# KiCad board haasoscope_pro_adc_fpga_board.kicad_pcb (continued)
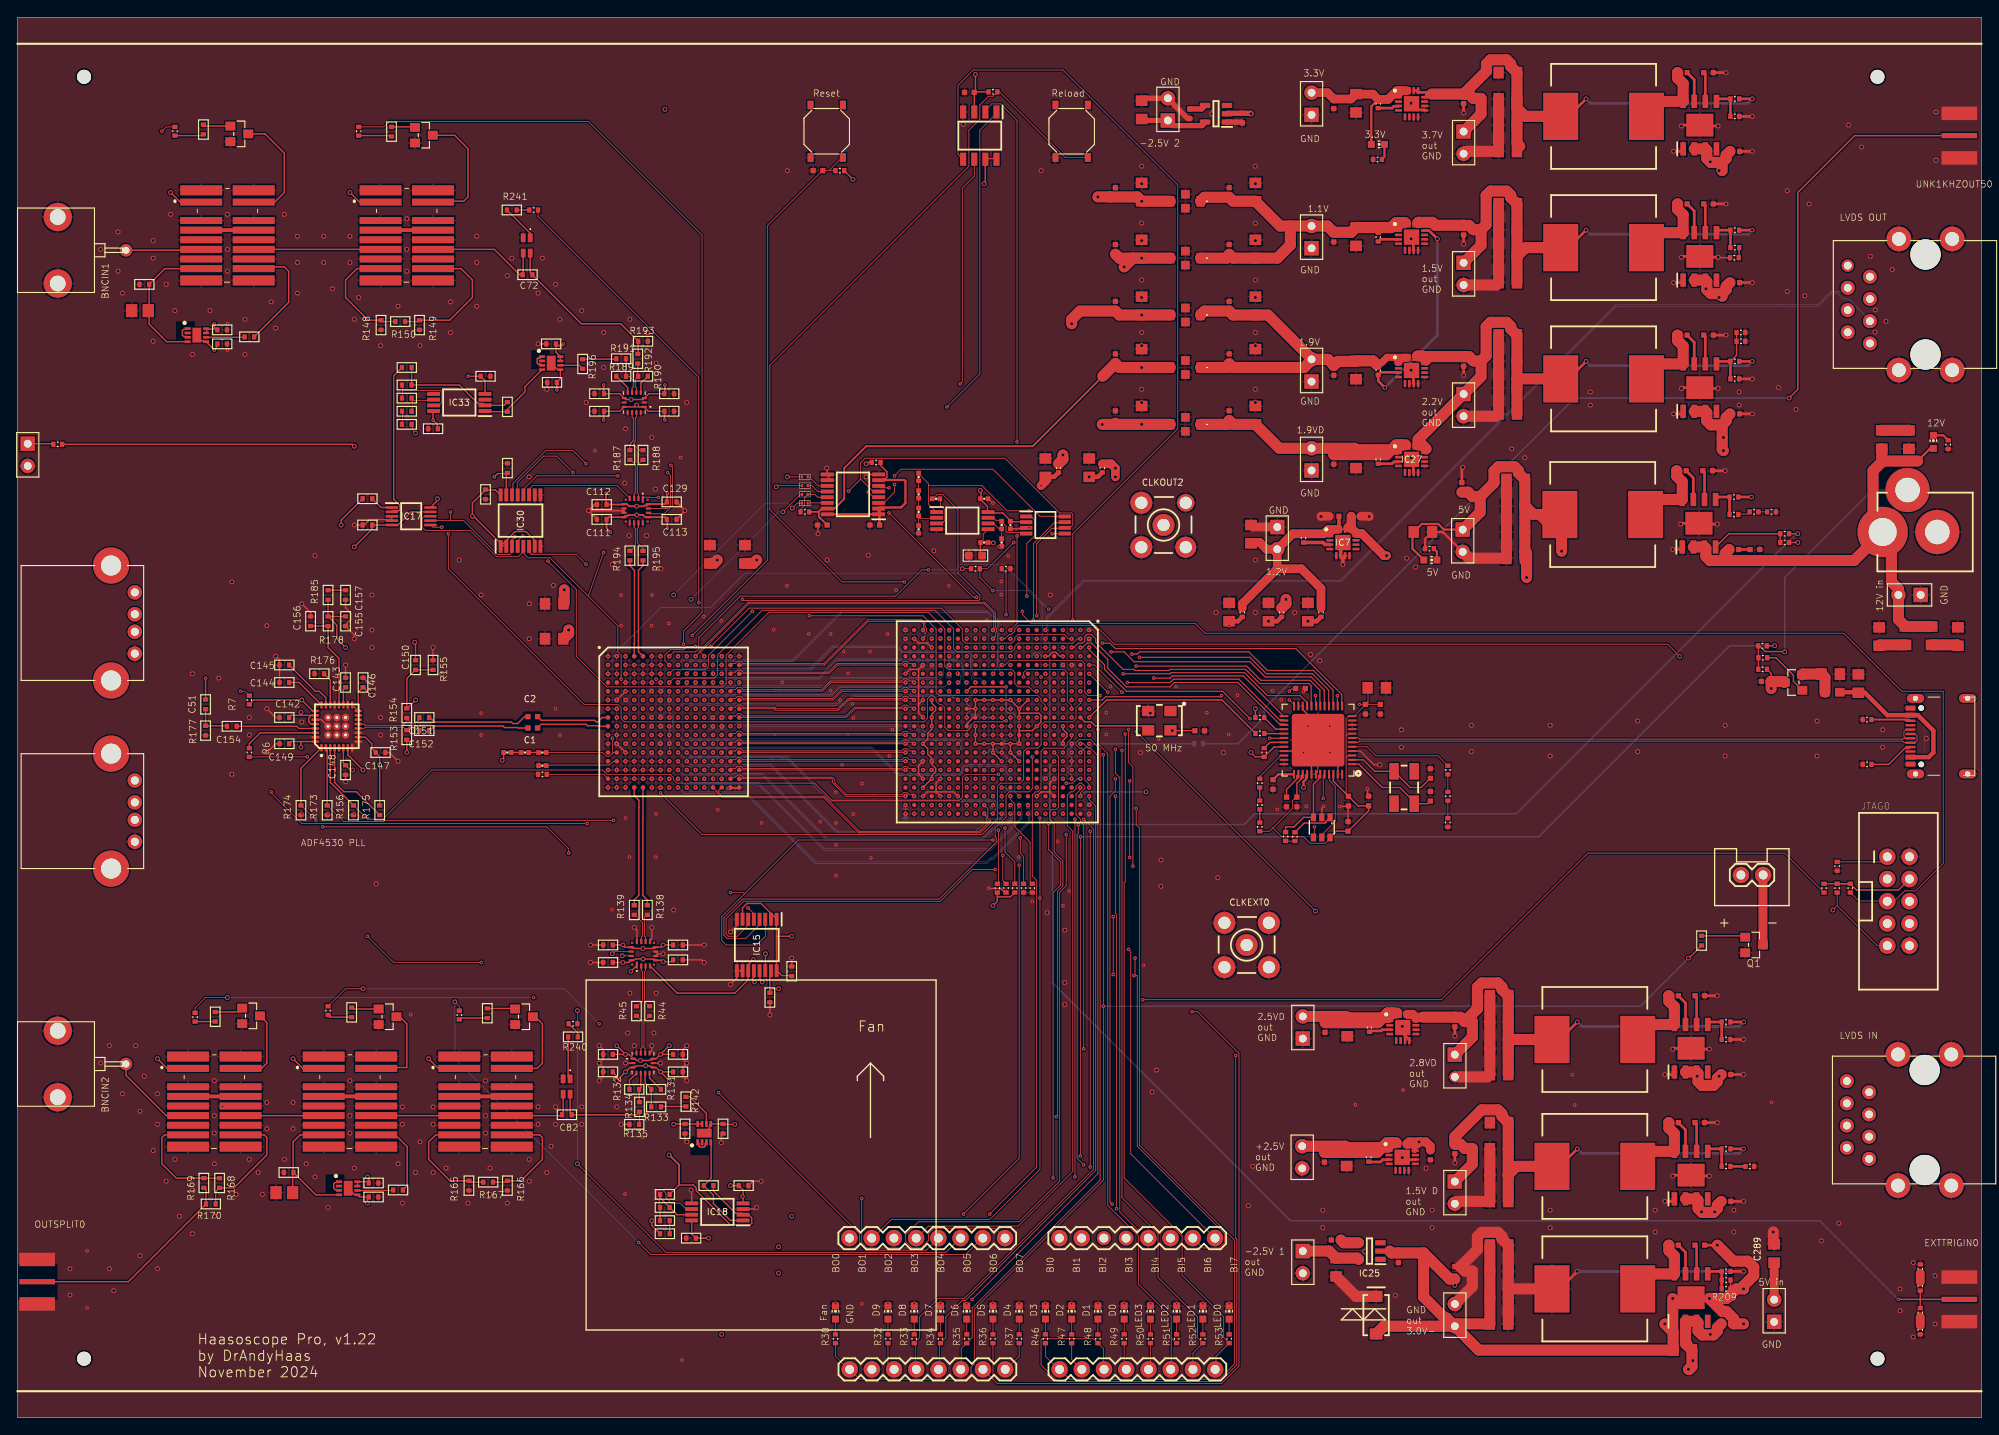
[diagram p0: board, top side]
## Routing (per net, layer and track width the routed paths; a pad name or vN(x,y) marks a point on that pad's centre or on a via; arc(x,y) is an arc through that point) (continued)
VCCA: length 67.5
  Top w0.152: IC5.T6 v1(107.45,85.05)
  Top w0.508: C41.2 118.5,107.5 R90.P$2
  Top w1: C41.2 117.5,107 v1(117,106.5)
  In5.Cu w0.152: v1(116.5,85) 117,85.5 v1(117,106.5) ; v1(117.5,73) 117,72.5 110.43,72.5 110.1,72.83 110.1,73.4 110,73.5 107,73.5 v1(106.5,73) 106.07,73 105.67,73.4 105.1,73.4 105,73.5 105,85.5 107,85.5 v1(107.45,85.05)
  In7.Cu w0.152: v1(116.5,85) 115,83.5 115,74.5 116.5,73 v1(117.5,73)
  Bottom w0.152: v1(117.5,73) C71.2
VCCA_FTDI: length 2.7
  Top w0.254: IC8.37 144.13,73.51 C115.2
VCCINT: length 46.3
  Top w0.152: v1(112.5,75) v1(111.5,76) v1(111.5,77) ; IC5.R12 108.5,79.25 109.25,80 IC5.P11 v1(109.5,81) ; v1(113.5,77) IC5.L14 v1(111.5,77) ; v1(113.5,77) v1(114.5,77) IC5.J13 114.5,78.5 ; v1(113.5,77) v1(113.5,76) v1(114.5,75) ; 114.5,80.5 v1(114.5,80) ; 114.5,80.5 116.75,80.5 117,80.25 117,79.5 v1(116.5,79) 116,78.5 114.5,78.5 ; 114.5,80.5 v1(114.5,81) ; v1(109.5,79) v1(109.5,78) v1(109.5,77) v1(110.5,77) v1(111.5,77) ; 114.5,78.5 v1(114.5,79) ; v1(114.5,81) v1(113.5,82) v1(112.5,82) v1(111.5,82) v1(110.5,82) v1(109.5,82) v1(109.5,81) ; v1(114.5,81) v1(115.5,82) ; v1(108.5,83) 109,83.5 v1(113,83.5) ; v1(109.5,81) IC5.R10
  Top w0.508: v2(147.5,91) 148.5,91 R88.P$2
  Bottom w0.152: C69.2 v1(114.5,79) 114.5,79.75 113.75,80.5 113.25,80.5 113,80.75 v1(113,83.5)
VCCIO2V5: length 113.6
  Top w0.152: IC5.U4 v1(106.5,87.05) ; v1(119.5,79) 119.5,78.64 119.95,78.19 119.95,77.81 119.5,77.36 v1(119.5,77) ; v1(119.5,87) 119.14,87 118.69,87.45 118.31,87.45 117.86,87 v1(117.5,87) ; v1(104.5,82) 104.5,81.64 104.95,81.19 104.95,80.81 104.5,80.36 v1(104.5,80) v1(104.5,79) 104.5,78.64 104.05,78.19 104.05,77.55 v1(103.5,77) 104.05,76.45 104.05,75.81 104.5,75.36 v1(104.5,75) 104.5,74.64 104.95,74.19 104.95,73.81 104.5,73.36 v1(104.5,73) IC5.Y19 v1(103.5,71.9) ; IC5.W4 v1(104.5,87.05)
  Top w0.16: R212.P$1 v2(203.5,100)
  Top w0.508: v2(143,91) 144,91 R87.P$2
  In2.Cu w0.152: v1(101.5,89) 101.93,89 102.53,88.4 103.67,88.4 103.9,88.17 103.9,87.65 v1(104.5,87.05) 104.93,87.05 105.33,87.45 105.67,87.45 106.07,87.05 v1(106.5,87.05) 106.98,87.05 107.38,87.45 108.05,87.45 v1(108.5,87) 108.93,87 109.33,86.6 109.67,86.6 110.07,87 v1(110.5,87)
  In2.Cu w0.16: v2(203.5,100) 198,94.5 147.5,94.5 144,91 v2(143,91)
  In7.Cu w0.152: v1(115.5,87) v1(113.5,87) 113.17,87 112.77,87.4 112.43,87.4 111.68,86.65 111.33,86.65 110.98,87 v1(110.5,87) ; v1(104.5,82) 104.5,82.43 104.1,82.83 104.1,83.97 103.67,84.4 103.1,84.4 v1(102.5,85) 103.1,85.6 103.67,85.6 104.07,86 v1(104.5,86) v1(104.5,87.05)
  Bottom w0.152: v1(115.5,87) 115.93,87 116.33,87.4 116.67,87.4 117.07,87 v1(117.5,87) ; v1(114.5,71) 113.9,71.6 113.33,71.6 112.93,72 v1(112.5,72) ; v1(122.5,70) C65.2 ; C67.2 v1(101.5,70) ; v1(101.5,89) C68.2 ; v1(119.5,77) C61.2 ; v1(104.5,86) C66.2 ; v1(104.5,75) C62.2
  vias: v1(105.5,72) v1(107.5,72) v1(109.5,73) v1(116.5,72) v1(118.5,72) v1(119.5,75) v1(119.5,73)
VCCIO3V3: length 3.2
  Top w0.508: v2(122.5,107.5) 123.5,107.5 R18.P$2
  In2.Cu w0.2: v1(118.5,83) v1(119.5,82)
  Bottom w0.152: v1(122.5,89) C64.2 ; v1(119.5,86) C63.2
  vias: v1(119.5,80)
VCCPLL: length 82.2
  Top w0.152: v1(138.5,90.5) C42.2
  Top w0.508: R89.P$2 139.5,91 C42.2
  In5.Cu w0.152: v1(106.5,85) 106,84.5 106,74.5 v1(105.5,74) 105.95,74.45 106.67,74.45 106.72,74.4 117.9,74.4 118,74.5 ; 118,74.5 117.9,74.6 117.9,84.17 117.5,84.57 v1(117.5,85) ; 118,74.5 v1(118.5,74) 119,73.5 131,73.5 138.5,81 v1(138.5,90.5)
  In7.Cu w0.152: v1(117.5,85) 117,85.5 107,85.5 v1(106.5,85)
  Bottom w0.152: v1(106.5,85) C70.2
VDDD33: length 21.2
  Top w0.152: IC2.7 98.46,107.15 99.06,107.15 99.38,107.47 99.38,108.08 98.65,108.81 R15.P$2 ; C3.2 98.44,102.11 IC2.1
  Top w0.254: C3.2 98.55,103.76 IC2.2 ; 99,107.15 101.35,107.15 101.5,107 101.5,104.5 101,104 98.56,104 IC2.2 ; IC2.2 IC2.1 IC2.16
VDDL19: length 52.5
  Top w0.203: 91.6,103.54 91.6,102.91 91.73,102.77 91.78,102.77 C4.2 ; 91.6,103.54 91.55,103.5 R5.P$1 ; 91.6,103.54 91.93,103.88 92.56,103.88 IC2.15 93.38,103.88 94.5,105 94.5,108.5 97,111 116.05,111 124.05,119
  Top w1.27: 124.05,119 C19.2 125.95,120 v2(128.5,120) C15.3
1KHZOUT: length 3
  Top w0.152: J1.1 4.03,111.29 R206.P$1
1KHZOUT50: length 13.4
  Bottom w0.16: v1(121.5,76) 122.09,76.59 122.67,76.59 123.08,77 R211.P$2
1MPATH: length 16
  Top w0.152: FL3.4 34.55,25.45
  Top w0.16: K2.4 32.3,32.3 31.5,31.5 31.5,28.05 ; 31.5,28.05 R158.P$2 34.1,25.45 34.55,25.45 ; 31.5,28.05 31.45,28 C79.2
1MPATH2: length 16.6
  Top w0.152: FL2.4 17.05,122.95 16.5,123.5 ; R42.P$2 15.05,126.6 C57.2
  Top w0.16: 16.5,123.5 15.05,124.95 15.05,126.6 ; K4.4 16.85,131.3 R42.P$2
1MPATH50: length 9.3
  Top w0.16: K2.5 43.2,32.3 44.55,30.95 44.55,26.5 R159.P$2
1MPATH502: length 13.4
  Top w0.16: R43.P$2 31,127.45 31,131 30.5,131.5 27.2,131.5 K4.5
50_1M_CONTROL: length 2.8
  Top w0.152: R8.P$1 35.75,45.75 R162.P$2
50_1M_CONTROL2: length 3.3
  Top w0.152: R12.P$1 21.1,146.5 R140.P$2
50PATH: length 6
  Top w0.44: K2.2 K2.7
50PATH2: length 6
  Top w0.44: K4.2 K4.7
ACDC_CONTROL: length 1.9
  Top w0.152: R9.P$1 64.05,43.95 R240.P$2
ACDC_CONTROL2: length 1.4
  Top w0.152: R13.P$1 R241.P$2
ADFCE: length 10.7
  Top w0.152: U2.4 36.25,72.57 37.3,71.52 38.73,71.52 R175.P$1
AIN2_N: length 3.5
  Top w0.102: IC21.5 70.75,117.65 70.61,117.79 70.61,118.61 70.95,118.95
  Top w0.152: R192.P$2 70.9,119.05 R190.P$1 70.95,118.95
AIN2_P: length 4.4
  Top w0.102: IC21.6 70.25,117.65 70.39,117.79 70.39,118.5 69.89,119 R189.P$1
  Top w0.152: R191.P$2 R189.P$1
AIN_N: length 3.4
  Top w0.152: R134.P$2 71.05,36.1 R132.P$1 71.25,37.7 IC13.5
AIN_P: length 4.1
  Top w0.152: IC13.6 71.75,38.2 R131.P$1 R133.P$2
AMPOUT2_N: length 3.5
  Top w0.102: IC29.10 70.48,101.74 70.62,101.6 70.62,99.62 70.05,99.05 R194.P$1
AMPOUT2_P: length 3.5
  Top w0.102: IC29.11 70.98,101.74 70.84,101.6 70.84,100 71.5,99.34 R195.P$1
AMPOUT_N: length 3.3
  Top w0.102: IC14.10 71.8,54.9 71.66,55.04 71.66,57.16 71.95,57.45 R138.P$1
AMPOUT_P: length 3.5
  Top w0.102: R139.P$1 70.55,57.45 71.44,56.56 71.44,55.04 71.3,54.9 IC14.11
AMPSCLK: length 22.2
  Top w0.089: IC14.14 68.25,53.25 v2(68,53)
  Top w0.152: IC15.14 85.5,51.09 v2(85.5,53)
  In2.Cu w0.089: v2(68,53) 68.73,53 68.95,53.22 69.31,53.22 69.38,53.15 73.15,53.15 73.5,53.5 85,53.5 v2(85.5,53)
AMPSCLK2: length 29.5
  Top w0.089: v1(74.68,108.82) 74.88,108.62 74.88,104.23 73.93,103.28 72.24,103.28 IC29.14 ; v1(65,109) 63.5,110.5 60.37,110.5 56.62,106.75 56.62,105.5 IC30.14
  In7.Cu w0.089: v1(74.68,108.82) 74.5,109 v1(65,109)
AMPSCS: length 19.7
  Top w0.089: IC14.15 70.13,52.77 v2(69.13,52.77)
  Top w0.152: v3(85.12,49.75) 84.88,50 84.88,51 IC15.13
  In2.Cu w0.089: v3(85.12,49.75) 84.62,50.25 71.65,50.25 v2(69.13,52.77)
AMPSCS2: length 27.2
  Top w0.089: IC29.15 74.28,103.89 74.66,104.27 74.66,107.65 v1(74.31,108) ; IC30.13 57.12,105.5 57.12,106.88 60.12,109.88 61.62,109.88 v1(63.5,108)
  In7.Cu w0.089: v1(74.31,108) v1(63.5,108)
AMPSDI: length 17.8
  Top w0.152: v3(84.25,49.75) 84,50 84,50.12 84.25,50.38 84.25,51 IC15.12 ; v3(70.12,51) 70.75,51.62 IC14.1
  In2.Cu w0.152: v3(84.25,49.75) 83.5,49 72.12,49 v3(70.12,51)
AMPSDI2: length 19.3
  Top w0.089: v1(73.26,105.16) 72.26,105.16 72.23,105.19 71.73,105.19 IC29.1 ; v1(68.62,107.62) 59.37,107.62 57.87,106.12 57.87,105.5 IC30.12
  In2.Cu w0.089: v1(73.26,105.16) 72.99,105.43 69.15,107.62 v1(68.62,107.62)
AMPSDO: length 15.8
  Top w0.152: 83.5,51.12 83.5,51.75 v3(84.12,52.38) ; 83.5,51.12 83.5,50 82,48.5 75.4,48.5 IC14.4 ; 83.5,51.12 IC15.11
AMPSDO2: length 13
  Top w0.089: IC30.11 58.5,105.5 58.5,106.12 58.89,106.52 68.53,106.52 69.91,105.14 IC29.4
AOFFSET: length 2.9
  Top w0.152: R133.P$1 73.6,35.55 R142.P$2
AOFFSET2: length 3.9
  Top w0.152: R191.P$1 68.4,120.95 R196.P$2
AOUT2_N: length 4.5
  Top w0.102: IC21.12 70.25,114.35 70.39,114.21 70.39,111.67 70.11,111.39 70.11,111.31 70,111.2 R187.P$1
AOUT2_P: length 5.1
  Top w0.102: IC21.13 70.75,114.35 70.61,114.21 70.61,111.57 70.48,111.44 70.48,111.17 71.1,110.55 R188.P$1
AOUT_N: length 4.7
  Top w0.102: R44.P$1 72.2,45.9 71.8,45.5 71.61,45.5 71.61,42.29 71.75,42.15 IC13.12
AOUT_P: length 4.7
  Top w0.102: IC13.13 71.25,42.15 71.39,42.29 71.39,45.5 71.2,45.5 70.8,45.9 R45.P$1
AOUTSMA2_N: length 4.8
  Top w0.102: IC29.3 70.48,105.54 70.62,105.68 70.62,108.88 70.05,109.45 R187.P$2
AOUTSMA2_P: length 4.8
  Top w0.102: R188.P$2 71.45,109.45 70.84,108.84 70.84,105.68 70.98,105.54 IC29.2
AOUTSMA_N: length 4.9
  Top w0.102: IC14.3 71.8,51.1 71.66,50.96 71.66,47.5 71.7,47.5 72.2,47 R44.P$2
AOUTSMA_P: length 5
  Top w0.102: R45.P$2 70.8,47 71.3,47.5 71.44,47.5 71.44,50.96 71.3,51.1 IC14.2
ASDO: length 96.3
  Top w0.089: IC6.5 108,143.88 107.5,144.38 107.5,152.25 109.25,154 119.5,154 132.62,140.88 132.62,113 120.62,101 v1(120.62,91.12)
  In2.Cu w0.089: v1(120.62,91.12) v1(119.5,90)
ATT_CONTROL: length 3.3
  Top w0.152: R164.P$2 50.65,45.65 R10.P$1
ATT_CONTROL2: length 3.8
  Top w0.152: R141.P$2 42.65,146.5 R22.P$1
BOARDIN0: length 54.4
  Top w0.089: v1(120.88,27.5) v1(120.88,68.38)
  In2.Cu w0.089: v1(120.88,68.38) 120.88,73.25 120.5,73.62 v1(120.5,74)
  In7.Cu w0.089: v1(120.88,27.5) 119.1,25.72 J8.1
BOARDIN1: length 60.8
  Top w0.089: v1(118.38,27.38) 118.38,60 119.25,60.88 119.25,63.5 117.88,64.88 v1(117.88,67.88)
  In2.Cu w0.089: v1(118.38,27.38) 118.38,23.75 121.62,20.5 J8.2 ; v1(119.5,78) 118.88,78 117.88,77 v1(117.88,67.88)
BOARDIN2: length 147.1
  Top w0.089: v1(121.5,29.88) v1(121.5,66.38)
  Top w0.152: v2(200.86,88.21) 199.98,88.21 R238.P$2
  In2.Cu w0.089: v1(121.5,29.88) 121.5,23.12 124.12,20.5 J8.3 ; v1(121.5,66.38) 119.12,68.75 119.12,75.25 119.5,75.62 v1(119.5,76)
  Bottom w0.152: v1(121.5,66.38) 173.88,66.38 195.71,88.21 v2(200.86,88.21)
BOARDIN3: length 154.9
  Top w0.089: v1(121.25,67.75) 121.25,66.75 121.12,66.62 121.12,29.62 v1(121.88,28.88)
  Top w0.16: R236.P$2 v2(203.5,101)
  In2.Cu w0.089: v1(121.88,28.88) 121.88,28.25 126.62,23.5 126.62,20.5 J8.4 ; v1(119.5,74) 119.88,74 120.25,74.38 120.75,74.38 121.12,74 121.12,68.75 121.25,68.62 v1(121.25,67.75)
  Bottom w0.16: v1(121.25,67.75) 121.27,67.77 140.21,67.77 141.44,69 171.32,69 203.32,101 v2(203.5,101)
BOARDIN5: length 182.1
  Top w0.089: v1(65.12,67.88) 32.5,67.88 29,71.38 v1(29,71.5) ; v1(118.5,76) 118.5,76 119,75.5 119,69.75 118.75,69.5 118.25,69.5 118,69.25 118,68.38 118.5,67.88 118.5,64.62 119.5,63.62 119.5,60.75 118.88,60.12 118.88,34.5 v1(118.75,34.38) ; R7.P$2 26,83 v1(25.5,83)
  In2.Cu w0.089: v1(25.5,83) 25.5,75 v1(29,71.5)
  In7.Cu w0.089: v1(65.12,67.88) 78.62,67.88 84.62,61.88 91.25,61.88 v1(118.75,34.38) 131.75,21.38 131.75,20.5 J8.6
BOARDIN6: length 192.4
  Top w0.089: J8.7 134.38,20.5 135.5,19.38 137.38,19.38 138,20 138,21 128,31 128,50.5 127.74,50.5 ; v1(33.12,75.5) R6.P$2 ; v1(127,78.62) 127,74.88 127.5,74.38 v1(127.5,63) ; 127.74,50.5 v1(127.74,52.5) ; 127.74,50.5 v1(127.62,50.5)
  In2.Cu w0.089: v1(33.12,75.5) 36.12,75.5 57.12,54.5 123.62,54.5 v1(127.62,50.5)
  In7.Cu w0.089: v1(127,78.62) 123.12,82.5 122.38,82.5 121.88,82 121.88,80.75 120.75,79.62 119.5,79.62 118.88,79 v1(118.5,79) ; v1(127.74,52.5) 127.74,53.26 127.37,53.63 127.37,53.65 126.5,54.53 126.5,62 v1(127.5,63)
BOARDIN7: length 106
  Top w0.089: v1(127,53.5) 127.25,53.25 127.25,30.12 136.88,20.5 J8.8 ; v1(111.5,94.5) 110,96 R16.P$2 110.88,97 v1(113.88,100) ; v1(127.12,64) v1(127.12,72.75)
  In7.Cu w0.089: v1(127,53.5) 126,54.5 126,62.88 v1(127.12,64) ; v1(127.12,72.75) 127.25,72.88 127.25,76.88 122.75,81.38 122.25,81.38 122.12,81.25 122.12,80.62 120.88,79.38 120.25,79.38 120.12,79.25 120.12,79 119.75,78.62 119.5,78.62 118.5,77.62 v1(118.5,77)
  Bottom w0.089: v1(118.5,77) 118,77.5 118,88.5 117.87,88.63 117.35,88.63 117.13,88.85 117.13,92.87 115.5,94.5 v1(111.5,94.5)
BOARDOUT0: length 242.9
  Top w0.089: v1(16.5,147) 17,147.5 R12.P$2 ; v1(125.25,50.62) v1(125.25,57.25) ; v1(40,55) 43,52 v1(53,52)
  In2.Cu w0.089: v1(16.5,147) 14.5,145 14.5,143.5 14.55,143.45 14.55,131.82 15,131.37 15,80 v1(40,55) ; v1(53,52) 66.05,38.95 66.68,38.95 85.13,20.5 J10.1 95.12,20.5 v1(125.25,50.62)
  In7.Cu w0.089: v1(121.5,74) 121.5,73.62 121.12,73.25 121.12,69.25 120.5,68.62 120.5,62 v1(125.25,57.25)
BOARDOUT1: length 191.1
  Top w0.089: v1(119.88,72.5) 120.62,72.5 121.12,73 v1(121.5,73) ; R13.P$2 59.5,137.25 77.88,118.88 v1(77.88,93.12) ; v1(116.88,68.5) v1(116.88,59.38) 116.88,28.38 111.12,22.62 99.88,22.62 97.75,20.5 J10.2
  In2.Cu w0.089: v1(77.88,93.12) 108.5,93.12 110.25,91.38 110.25,90.75 111.12,89.88 111.12,84.5 111.88,83.75 111.88,75 110.88,74 110.88,65.38 v1(116.88,59.38)
  In7.Cu w0.089: v1(119.88,72.5) 119.62,72.5 117.5,70.38 117.25,70.38 116.88,70 v1(116.88,68.5)
BOARDOUT2: length 229.7
  Top w0.089: v1(121.5,72) 121.5,71.75 121,71.25 121,68.88 121.5,68.38 121.5,68.12 121.88,67.75 v1(121.88,42.12) ; v1(76.12,88.38) 76.12,89.88 78.25,92 78.25,135.12 65.25,148.12 42.5,148.12 41.87,147.5 R22.P$2
  In2.Cu w0.089: J10.3 100.25,20.5 v1(121.88,42.12)
  In7.Cu w0.089: v1(121.88,42.12) 101.62,62.38 84.5,62.38 75.12,71.75 75.12,87.38 v1(76.12,88.38)
BOARDOUT3: length 259.4
  Top w0.089: v1(121.5,71) 121.5,71.38 122,71.88 122,72.12 121.62,72.5 121.38,72.5 121,72.12 121,71.88 120.62,71.5 120.38,71.5 120,71.12 120,67.62 120.62,67 120.62,28.12 114.38,21.88 104.12,21.88 102.75,20.5 J10.4
  Top w0.152: R206.P$2 38.28,111.22 v2(38.5,111)
  In2.Cu w0.152: v2(129,71.5) 131.5,71.5 136.5,76.5 136.5,110.5 125,110.5 115,120.5 106.5,120.5 97,111 v2(38.5,111)
  Bottom w0.152: v1(121.5,71) 122,71.5 v2(129,71.5)
BOARDOUT4: length 147.1
  Top w0.089: v1(108.12,23.25) 114.5,29.62 v1(114.5,63.12) ; v2(39.5,49) 37.5,49 R8.P$2 ; v1(80.12,37.12) 96.25,21 96.25,19.88 97,19.12 103.88,19.12 105.25,20.5 J10.5
  In2.Cu w0.089: v1(108.12,23.25) 105.38,20.5 J10.5 ; v1(117.5,78) 117.5,77.62 115,75.12 115,63.62 v1(114.5,63.12)
  In7.Cu w0.089: v1(80.12,37.12) 76.95,40.3 76.95,40.68 72.63,45 v1(66.5,45)
  Bottom w0.089: v2(39.5,49) 62.5,49 v1(66.5,45)
BOARDOUT5: length 138.3
  Top w0.089: J10.6 107.75,20.5 106.12,18.88 74.12,18.88 v2(64,29) ; v2(64,46.5) R9.P$2
  In2.Cu w0.089: v1(117.5,77) 117.5,73.62 115.88,72 115.88,62.88 128,50.75 128,40.75 107.75,20.5 J10.6
  Bottom w0.089: v2(64,29) v2(64,46.5)
BOARDOUT6: length 141.7
  Top w0.089: J10.7 110.25,20.5 108.38,18.62 72.38,18.62 v1(71,20) ; v2(50,47.5) 50.5,47 R10.P$2 ; v1(111.12,23.25) 116.5,28.62 116.5,61.38 116,61.88 116,71.12 116.38,71.5 116.62,71.5 117,71.88 117,76.12 117.38,76.5 119.62,76.5 120,76.88 120,77.12 120.5,77.62 v1(120.5,78)
  In2.Cu w0.089: v1(111.12,23.25) 111.12,21.25 110.38,20.5 J10.7
  Bottom w0.089: v2(50,47.5) 50,41 v1(71,20)
BOARDOUT7: length 185.7
  Top w0.089: v2(24,48) 21.5,48 20.3,46.8 R11.P$2 ; v1(96.5,25.04) 96.5,20 97.12,19.38 102.25,19.38 ; v1(119.88,66.62) 119.88,60.75 119.12,60 119.12,27 114.5,22.38 103,22.38 101.5,20.88 101.5,20.12 102.25,19.38 ; J10.8 112.88,20.5 111.75,21.62 104.75,21.62 104.12,21 104.12,20.25 103.25,19.38 102.25,19.38
  In2.Cu w0.089: v1(119.88,66.62) 118.12,68.38 118.12,76.25 118.25,76.38 119.75,76.38 120.12,76 v1(120.5,76)
  In7.Cu w0.089: v1(96.5,25.04) 96.5,26 74.5,48 v1(59,48)
  Bottom w0.089: v1(59,48) v2(24,48)
CALSTAT: length 46.4
  Top w0.089: v2(108,97) R16.P$1
  Bottom w0.089: v1(67.5,86) 68.13,86.63 68.13,87.15 73.53,92.55 79.18,92.55 83.13,96.5 107.5,96.5 v2(108,97)
CC1: length 5.3
  Top w0.16: R183.P$2 213.9,74.64 215.72,76.46 216.22,76.46 X1.A5
CC2: length 4.5
  Top w0.203: X1.B5 216.25,79.75 215.71,79.75 215.7,79.76 R182.P$2
CLK_AC_N: length 8.3
  Top w0.152: C1.1 59.87,79.22 65,79.22 65.16,79.06 66.33,79.06 66.39,79 IC1.J1
CLK_AC_P: length 8.5
  Top w0.152: IC1.H1 66.84,80 66.36,79.52 66.12,79.52 65.96,79.68 59.87,79.68 C2.2
CLK_N: length 11.6
  Top w0.152: C1.2 57.2,78.8 57.14,78.85 55.67,78.85 55.5,79.02 47.68,79.02 47.15,78.5 C152.P$1
CLK_P: length 11.9
  Top w0.152: C2.1 57.96,80.1 57.17,79.31 56.62,79.31 56.45,79.48 47.68,79.48 47.15,80 C151.P$1
CLKEXT: length 35.4
  In2.Cu w0.127: v1(122.5,79) 122.5,78.95 122.55,78.95 125,76.5 125,68 133,60 138,60 140.5,57.5 CLKEXT0.1
CLKOUT: length 112.3
  Top w0.152: v1(21.5,84.5) C51.P$2
  In2.Cu w0.127: v1(118.5,86) 118,86.5 118,87.21 117.71,87.5 117.41,87.5 117,87.92 117,93 114,96 73.26,96 73.22,95.96 31.96,95.96 21.5,85.5 v1(21.5,84.5)
CLKOUT2: length 24.8
  In2.Cu w0.127: v1(118.5,85) 119,85.5 119,91 125,97 129.5,97 131,98.5 CLKOUT2.1
COIL1-: length 10.1
  Top w0.16: K2.8 41.1,40 44.5,40 44.5,45 43.7,45.8 Q7.3
COIL1-2: length 13.5
  Top w0.16: Q4.3 28.3,146.7 30.5,144.5 30.5,140 29.4,138.9 K4.8
COIL2-: length 9.7
  Top w0.16: K3.8 59.4,39.9 60,40.5 60,45 59.2,45.8 Q8.3
COIL2-2: length 14.5
  Top w0.152: 47.45,146.53 Q5.3
  Top w0.16: K5.8 47.6,139 51,139 51.5,139.5 51.5,145 49.97,146.53 47.45,146.53
COIL3-: length 9
  Top w0.16: K1.8 27.9,39.9 28.5,40.5 28.5,45.12 Q9.3
CONF_DONE: length 12.3
  Top w0.089: v1(112.12,67.12) 112.12,61.12 R80.P$1
  In2.Cu w0.089: v1(112.12,67.12) 112.12,72 111.5,72.62 v1(111.5,73)
CPOUT: length 26.4
  Top w0.152: R178.P$2 36.5,90.55 36.5,89 v2(37.5,88) ; R178.P$2 C155.P$1 ; R178.P$2 R185.P$1 ; v2(39.5,74) 37.75,75.75 U2.7
  In2.Cu w0.152: v2(37.5,88) 39.5,86 v2(39.5,74)
DA0_N: length 40.6
  In2.Cu w0.089: v1(76.5,87) 76.09,87.41 76.09,87.5 81.09,92.5 108.5,92.5 109.55,91.45 109.66,91.27 109.66,91.16 109.82,91 109.82,90.28 109.9,90.2 109.9,88.4 v1(109.5,88)
  Bottom w0.089: R17.2 109.65,87.85 v1(109.5,88)
DA0_P: length 42.3
  In2.Cu w0.089: v1(109.5,87) 110.03,87.53 110.03,88.27 110.08,88.33 110.08,90.27 110,90.35 110,91.07 109.92,91.15 109.87,91.25 109.87,91.33 109.78,91.43 109.73,91.52 108.57,92.68 81.02,92.68 75.91,87.57 75.91,87.41 v1(75.5,87)
  Bottom w0.089: R17.1 109.65,87.15 v1(109.5,87)
DA1_N: length 44.7
  Bottom w0.089: v1(76.5,86) 76.9,86.4 88.65,86.4 94.25,92 111,92 112,91 112,85.95 111.95,85.9 111.72,85.45 111.72,85.23 v1(111.5,85)
  Bottom w0.152: R19.2 v1(111.5,85)
DA1_P: length 46.1
  Bottom w0.089: v1(112.5,85) 112.29,85.21 112.29,85.57 112.18,85.77 112.18,85.78 112.18,91.07 111.07,92.18 94.18,92.18 88.58,86.58 76.08,86.58 v1(75.5,86)
  Bottom w0.152: R19.1 v1(112.5,85)
DA2_N: length 37.6
  Bottom w0.089: R20.2 v1(109.5,84) 109.1,84.4 109.1,84.62 108.95,84.77 108.95,84.83 108.95,87.1 108.63,87.42 101.08,87.42 100.5,88 93.25,88 90.65,85.4 76.9,85.4 v1(76.5,85)
DA2_P: length 39.7
  Bottom w0.089: R20.1 v1(110.5,84) 110.03,84.47 109.39,84.47 109.33,84.53 109.33,84.65 109.13,84.85 109.13,84.9 109.13,84.9 109.13,87.17 108.7,87.6 101.15,87.6 100.57,88.18 93.18,88.18 90.58,85.58 76.08,85.58 v1(75.5,85)
DA3_N: length 35
  Bottom w0.089: v1(76.5,84) 76.9,84.4 90,84.4 91.65,84.4 93.75,86.5 107.25,86.5 108,85.75 108,85 107.92,84.84 107.81,84.74 107.81,84.57 107.81,84.57 107.81,84.31 v1(107.5,84)
  Bottom w0.152: R21.2 v1(107.5,84)
DA3_P: length 36.4
  Bottom w0.089: v1(75.5,84) 76.08,84.58 91.58,84.58 93.68,86.68 107.32,86.68 108.18,85.82 108.18,85 108.23,84.84 108.07,84.68 108.04,84.68 108.02,84.66 108.02,84.48 v1(108.5,84)
  Bottom w0.152: R21.1 v1(108.5,84)
DA4_N: length 31.6
  Top w0.089: IC5.V5 v1(105.5,85.95)
  Bottom w0.089: v1(105.5,85.95) 105.87,85.58 105.87,84.9 105.78,84.8 105.78,84.73 105.44,84.39 103.46,84.39 103.45,84.4 93.15,84.4 92.2,83.45 76.95,83.45 v1(76.5,83)
  Bottom w0.152: R39.2 v1(105.5,85.95)
DA4_P: length 31.3
  Top w0.089: IC5.V6 v1(105.5,85.05)
  Bottom w0.089: v1(105.5,85.05) 105.6,84.95 105.6,84.8 105.38,84.58 93.08,84.58 92.13,83.63 76.13,83.63 v1(75.5,83)
  Bottom w0.152: R39.1 v1(105.5,85.05)
DA5_N: length 30.9
  Bottom w0.089: v1(106.5,83) 106.26,83 105.86,83.4 94.15,83.4 93.2,82.45 76.95,82.45 v1(76.5,82)
  Bottom w0.152: R54.2 v1(106.5,83)
DA5_P: length 32
  Bottom w0.089: v1(106.5,84) 106.08,83.58 94.08,83.58 93.13,82.63 76.13,82.63 v1(75.5,82)
  Bottom w0.152: R54.1 v1(106.5,84)
DA6_N: length 39
  Top w0.089: v1(111.5,90) 111.6,90.1 111.6,91.9 110.5,93 83.59,93 78.09,87.5 78.09,87.41 v1(78.5,87)
  Bottom w0.089: R55.2 v1(111.5,90)
DA6_P: length 40.8
  Top w0.089: v1(111.5,89) 111.78,89.28 111.78,89.68 111.92,89.83 111.92,90.17 111.78,90.32 111.78,91.97 110.57,93.18 83.52,93.18 77.91,87.57 77.91,87.41 v1(77.5,87)
  Bottom w0.089: R55.1 v1(111.5,89)
DA7_N: length 40.7
  In7.Cu w0.089: v1(78.5,86) 78.95,86.45 86.2,86.45 93.25,93.5 109,93.5 111.55,90.95 111.55,90.7 112,90.25 112,88.5 v1(111.5,88)
  Bottom w0.089: R56.2 v1(111.5,88)
DA7_P: length 43.1
  Top w0.089: IC5.M4 v1(111.5,87.05)
  In7.Cu w0.089: v1(77.5,86) 78.13,86.63 86.13,86.63 93.18,93.68 109.07,93.68 111.73,91.02 111.73,90.77 112.18,90.32 112.18,88.43 111.86,88.11 111.87,88.1 111.87,87.8 111.73,87.65 111.73,87.28 v1(111.5,87.05)
  Bottom w0.152: R56.1 v1(111.5,87.05)
DA8_N: length 36.6
  Top w0.089: IC5.N1 v1(110.5,89.95)
  In7.Cu w0.089: v1(110.5,89.95) 110.55,90 110.55,90.45 108.63,92.37 94.13,92.37 87.15,85.4 78.9,85.4 v1(78.5,85)
  Bottom w0.152: R57.2 v1(110.5,89.95)
DA8_P: length 39.1
  Top w0.089: IC5.N2 v1(110.5,89.05)
  In7.Cu w0.089: v1(77.5,85) 78.08,85.58 87.08,85.58 94.05,92.55 108.7,92.55 110.73,90.52 110.73,90.25 110.87,90.1 110.87,89.8 110.73,89.65 110.73,89.28 v1(110.5,89.05)
  Bottom w0.152: R57.1 v1(110.5,89.05)
DA9_N: length 35.3
  Top w0.089: IC5.P1 v1(109.5,89.95)
  In7.Cu w0.089: v1(109.5,89.95) 109.55,90 109.55,90.5 108.55,91.5 96.25,91.5 89.15,84.4 78.9,84.4 v1(78.5,84)
  Bottom w0.152: R58.2 v1(109.5,89.95)
DA9_P: length 37.8
  Top w0.089: IC5.P2 v1(109.5,89.05)
  In7.Cu w0.089: v1(77.5,84) 78.08,84.58 89.08,84.58 96.18,91.68 108.62,91.68 109.73,90.57 109.73,90.25 109.87,90.1 109.87,89.8 109.73,89.65 109.73,89.28 v1(109.5,89.05)
  Bottom w0.152: R58.1 v1(109.5,89.05)
DA10_N: length 33.8
  Top w0.089: IC5.R1 v1(108.5,89.95)
  In7.Cu w0.089: v1(78.5,83) 78.95,83.45 91.7,83.45 98.75,90.5 108.35,90.5 108.55,90.3 108.55,90 v1(108.5,89.95)
  Bottom w0.152: R59.2 v1(108.5,89.95)
DA10_P: length 36.2
  Top w0.089: IC5.R2 v1(108.5,89.05)
  In7.Cu w0.089: v1(108.5,89.05) 108.73,89.28 108.73,89.65 108.87,89.8 108.87,90.1 108.73,90.25 108.73,90.37 108.42,90.68 98.68,90.68 91.63,83.63 78.13,83.63 v1(77.5,83)
  Bottom w0.152: R59.1 v1(108.5,89.05)
DA11_N: length 32.7
  Top w0.089: IC5.U1 v1(106.5,89.95)
  In7.Cu w0.089: v1(106.5,89.95) 106.83,89.62 106.83,89.25 106.87,89.2 106.87,88.9 106.83,88.85 106.83,88.78 106.47,88.42 105.5,88.42 105.39,88.4 99.81,88.4 99.77,88.36 99.65,88.4 93.65,82.4 78.9,82.4 v1(78.5,82)
  Bottom w0.152: R60.2 v1(106.5,89.95)
DA11_P: length 32.4
  Top w0.089: IC5.U2 v1(106.5,89.05)
  In7.Cu w0.089: v1(77.5,82) 78.08,82.58 93.58,82.58 99.58,88.58 99.81,88.6 99.83,88.58 105.22,88.58 105.25,88.61 105.5,88.6 106.4,88.6 106.65,88.85 106.65,88.9 v1(106.5,89.05)
  Bottom w0.152: R60.1 v1(106.5,89.05)
DACAMPOUT1: length 12
  Top w0.152: IC18.1 81.47,22.53 79.55,24.45 79.55,25.4 R146.P$1 79.29,27.34 79.29,31.41 FL1.4
DACAMPOUT2: length 9
  Top w0.152: FL4.4 58,117.8 58,117.22 56,115.21 R200.P$1 53.51,114.95 IC33.1
DACLK_N: length 31.9
  Bottom w0.089: v1(107.5,82) 107.23,82.27 106.78,82.27 106.71,82.33 106.55,82.4 95.65,82.4 94.65,81.4 76.9,81.4 v1(76.5,81)
  Bottom w0.152: R61.2 v1(107.5,82)
DACLK_P: length 33.2
  Bottom w0.089: v1(75.5,81) 76.08,81.58 94.58,81.58 95.58,82.58 106.55,82.58 106.7,82.64 106.71,82.64 106.91,82.44 106.95,82.44 106.96,82.45 106.96,82.46 v1(107.5,83)
  Bottom w0.152: R61.1 v1(107.5,83)
DACOUT1: length 2.7
  Top w0.152: IC17.1 41.55,104 R143.P$2
DACOUT2: length 17.9
  Top w0.152: R197.P$2 43,119.05 43,104.94 43.7,104.23 43.7,103.77 43.58,103.65 42.95,103.65 IC17.2
DASTR_N: length 31.5
  In7.Cu w0.089: v1(107.5,80) 107.05,80.45 87.09,80.45 76.95,80.45 v1(76.5,80)
  Bottom w0.152: v1(107.5,80) R62.2
DASTR_P: length 32.6
  In7.Cu w0.089: v1(75.5,80) 76.13,80.63 86.95,80.63 106.91,80.63 107.28,81 v1(107.5,81)
  Bottom w0.152: R62.1 v1(107.5,81)
DATA0: length 63.5
  Top w0.089: v1(113.5,90) 114.25,90.75 v1(114.25,100.75) ; v1(114.25,111.5) 114.25,148.25 112.38,150.12 111.38,150.12 110.75,149.5 110.75,149.25 IC6.2
  In2.Cu w0.089: v1(114.25,111.5) v1(114.25,100.75)
DB0_N: length 45.6
  Top w0.089: IC5.H22 v1(115.5,69.05)
  Bottom w0.089: v1(76.5,72) 77,71.5 83.25,71.5 91.25,63.5 110.5,63.5 110.78,63.5 111.22,63.94 111.37,63.94 111.46,63.98 111.5,64 115.55,68.05 115.55,69 v1(115.5,69.05) 115.47,69.03 R63.2
DB0_P: length 48.3
  Top w0.089: IC5.H21 v1(115.5,69.95)
  Bottom w0.089: 75.55,72 76.23,71.32 83.18,71.32 91.18,63.32 110.85,63.32 111.27,63.73 111.42,63.73 111.47,63.79 111.53,63.8 111.57,63.82 115.73,67.98 115.73,68.75 115.87,68.9 115.87,69.2 115.73,69.35 115.73,69.72 v1(115.5,69.95) 115.5,69.73 R63.1
  Bottom w0.152: v1(75.5,72) 75.55,72
DB1_N: length 43.7
  Top w0.089: IC5.J22 v1(114.5,69.05)
  Top w0.152: IC1.R10 v1(76.45,73)
  Bottom w0.089: 114.53,69.03 114.6,68.95 114.6,68.45 111.15,65 110.7,65 92.25,65 84.7,72.55 76.95,72.55 IC1.R10 ; 114.53,69.03 v1(114.5,69.05) ; 114.53,69.03 R64.2
  Bottom w0.152: v1(76.45,73) IC1.R10
DB1_P: length 46.2
  Top w0.089: IC5.J21 v1(114.5,69.95)
  Bottom w0.089: v1(75.5,73) 76.13,72.37 84.63,72.37 92.18,64.82 108.72,64.82 111.22,64.82 114.78,68.38 114.78,68.8 114.87,68.9 114.87,69.2 114.78,69.3 114.78,69.67 v1(114.5,69.95) 114.5,69.73 R64.1